# KiCad board EOutside.kicad_pcb (continued)
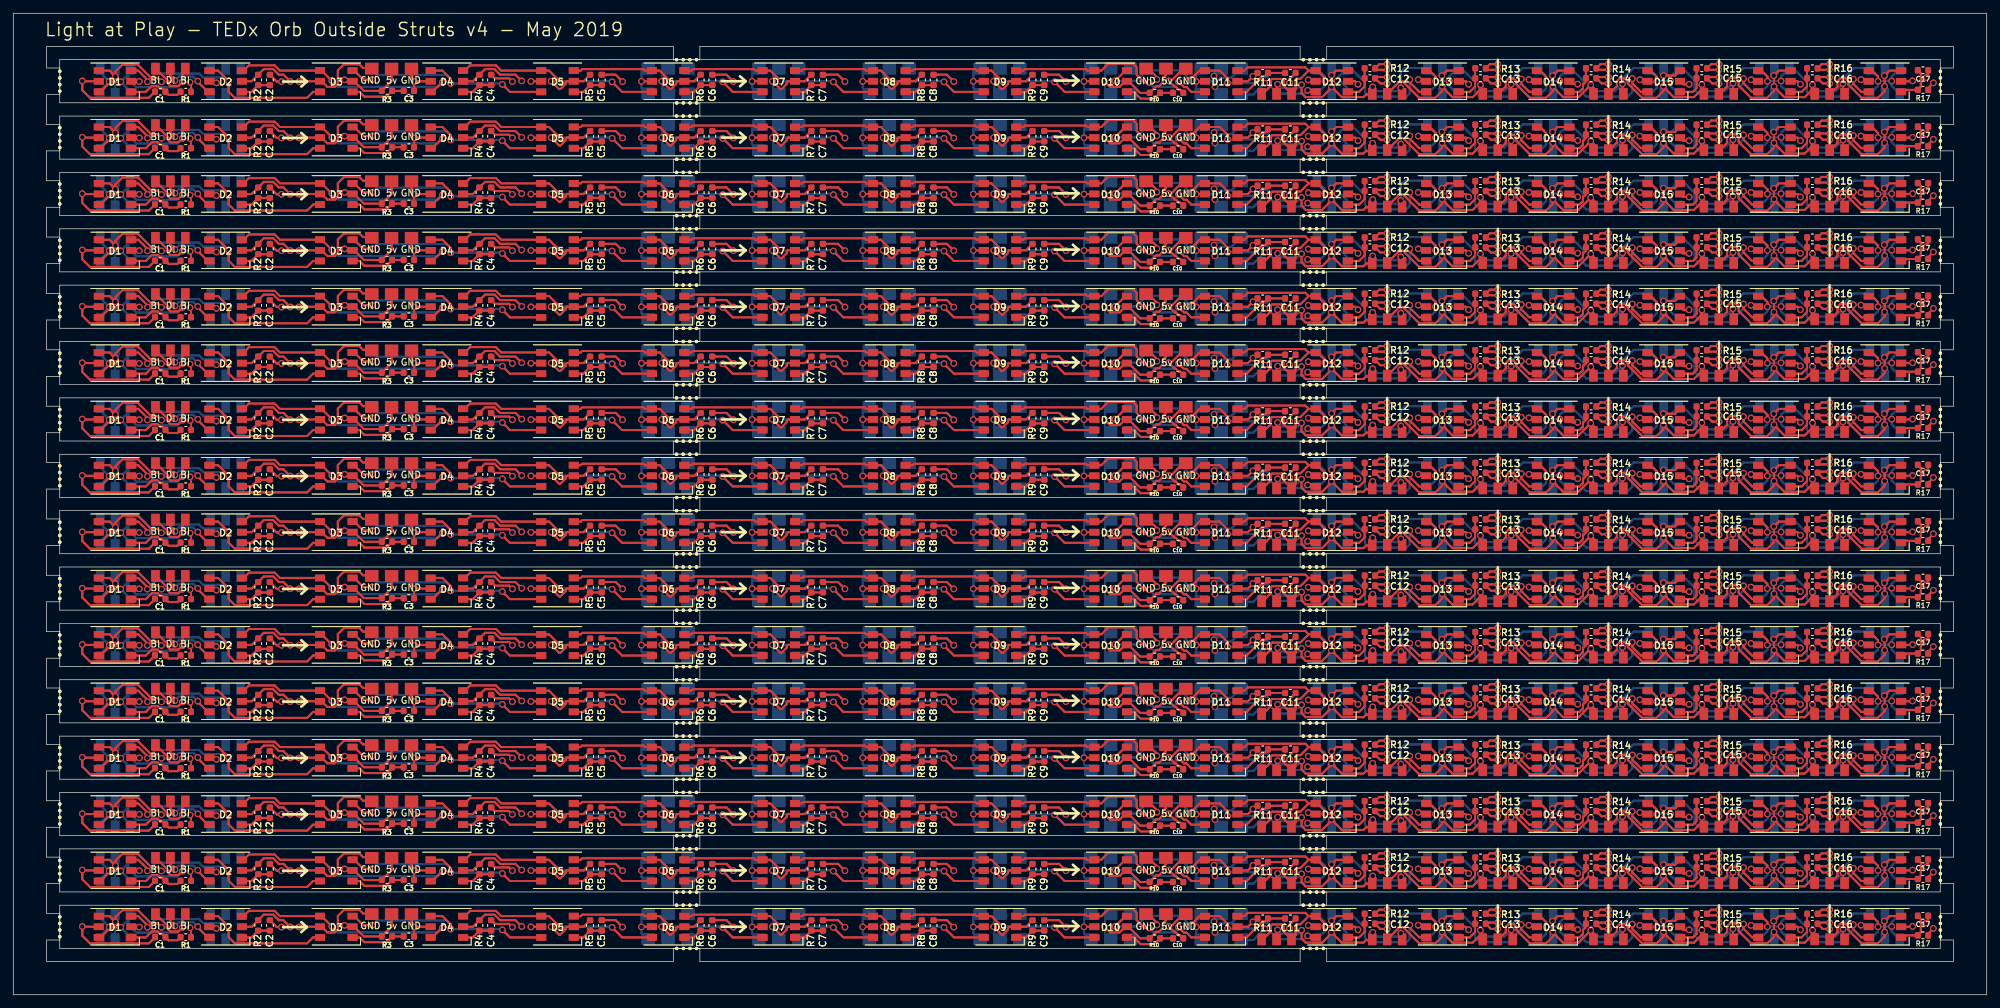
[diagram p0: board, top side]
## Routing (per net, layer and track width the routed paths; a pad name or vN(x,y) marks a point on that pad's centre or on a via; arc(x,y) is an arc through that point) (continued)
  Bottom w0.3: 161.32,136.76 162.33,135.75 161.32,136.76 ; 161.32,136.76 v1(161.32,137.73) ; 161.32,136.76 v1(161.32,137.73) ; 144.65,136.76 145.67,135.75 144.65,136.76 ; 144.65,136.76 v1(144.65,137.73) ; 144.65,136.76 v1(144.65,137.73) ; 127.99,136.76 129,135.75 127.99,136.76 ; 127.99,136.76 v1(127.99,137.73) ; 127.99,136.76 v1(127.99,137.73) ; 111.32,136.76 112.33,135.75 111.32,136.76 ; 111.32,136.76 v1(111.32,137.73) ; 111.32,136.76 v1(111.32,137.73) ; 94.65,136.76 95.67,135.75 94.65,136.76 ; 94.65,136.76 v1(94.65,137.73) ; 94.65,136.76 v1(94.65,137.73) ; v1(161.32,137.73) 161.32,139.24 ; v1(161.32,137.73) 161.32,139.24 ; 161.32,139.24 162.33,140.25 161.32,139.24 ; v1(144.65,137.73) 144.65,139.24 ; v1(144.65,137.73) 144.65,139.24 ; 144.65,139.24 145.67,140.25 144.65,139.24 ; v1(127.99,137.73) 127.99,139.24 ; v1(127.99,137.73) 127.99,139.24 ; 127.99,139.24 129,140.25 127.99,139.24 ; v1(111.32,137.73) 111.32,139.24 ; v1(111.32,137.73) 111.32,139.24 ; 111.32,139.24 112.33,140.25 111.32,139.24 ; v1(94.65,137.73) 94.65,139.24 ; v1(94.65,137.73) 94.65,139.24 ; 94.65,139.24 95.67,140.25 94.65,139.24 ; 183.52,129.78 181.86,129.78 ; 183.52,129.78 185,131.25 183.52,129.78 ; 183.52,129.78 181.86,129.78 ; 181.86,129.78 181.31,129.23 ; 181.86,129.78 181.31,129.23 ; 181.31,129.23 178.94,129.23 ; 181.31,129.23 178.94,129.23 ; 178.94,129.23 178.93,129.22 ; 178.94,129.23 178.93,129.22 ; 178.22,128.03 179,127.25 178.22,128.03 ; 178.22,128.03 178.22,128.51 ; 178.22,128.03 178.22,128.51 ; 178.93,129.22 v1(178.22,129.22) ; 178.93,129.22 v1(178.22,129.22) ; 178.22,129.93 v1(178.22,129.22) ; 178.22,129.93 178.22,130.97 ; 178.22,129.93 178.22,130.97 ; 178.22,129.93 v1(178.22,129.22) ; v1(178.22,129.22) 178.22,128.51 ; v1(178.22,129.22) 178.22,128.51 ; 178.22,130.97 179,131.75 178.22,130.97 ; 186.83,127.25 v1(188.54,128.96) 186.83,127.25 ; 186.83,127.25 185,127.25 186.83,127.25 ; v1(144.65,129.23) 144.65,128.26 ; v1(144.65,129.23) 144.65,130.74 ; v1(144.65,129.23) 144.65,128.26 ; v1(144.65,129.23) 144.65,130.74 ; 144.65,128.26 145.67,127.25 144.65,128.26 ; v1(127.99,129.23) 127.99,128.26 ; v1(127.99,129.23) 127.99,130.74 ; v1(127.99,129.23) 127.99,128.26 ; v1(127.99,129.23) 127.99,130.74 ; 127.99,128.26 129,127.25 127.99,128.26 ; 111.32,130.74 112.33,131.75 111.32,130.74 ; 111.32,130.74 v1(111.32,129.23) ; 111.32,130.74 v1(111.32,129.23) ; v1(111.32,129.23) 111.32,128.26 ; v1(111.32,129.23) 111.32,128.26 ; 111.32,128.26 112.33,127.25 111.32,128.26 ; 144.65,130.74 145.67,131.75 144.65,130.74 ; 127.99,130.74 129,131.75 127.99,130.74 ; 161.32,130.74 162.33,131.75 161.32,130.74 ; 161.32,130.74 v1(161.32,129.23) ; 161.32,130.74 v1(161.32,129.23) ; v1(161.32,129.23) 161.32,128.26 ; v1(161.32,129.23) 161.32,128.26 ; 161.32,128.26 162.33,127.25 161.32,128.26 ; 94.65,128.26 95.67,127.25 94.65,128.26 ; 94.65,128.26 v1(94.65,129.23) ; 94.65,128.26 v1(94.65,129.23) ; v1(94.65,129.23) 94.65,130.74 ; v1(94.65,129.23) 94.65,130.74 ; 94.65,130.74 95.67,131.75 94.65,130.74 ; 183.52,121.28 181.86,121.28 ; 183.52,121.28 185,122.75 183.52,121.28 ; 183.52,121.28 181.86,121.28 ; 181.86,121.28 181.31,120.73 ; 181.86,121.28 181.31,120.73 ; 181.31,120.73 178.94,120.73 ; 181.31,120.73 178.94,120.73 ; 178.94,120.73 178.93,120.72 ; 178.94,120.73 178.93,120.72 ; 178.22,119.53 179,118.75 178.22,119.53 ; 178.22,119.53 178.22,120.01 ; 178.22,119.53 178.22,120.01 ; 178.93,120.72 v1(178.22,120.72) ; 178.93,120.72 v1(178.22,120.72) ; 178.22,121.43 v1(178.22,120.72) ; 178.22,121.43 178.22,122.47 ; 178.22,121.43 178.22,122.47 ; 178.22,121.43 v1(178.22,120.72) ; v1(178.22,120.72) 178.22,120.01 ; v1(178.22,120.72) 178.22,120.01 ; 178.22,122.47 179,123.25 178.22,122.47 ; 186.83,118.75 v1(188.54,120.46) 186.83,118.75 ; 186.83,118.75 185,118.75 186.83,118.75 ; v1(144.65,120.73) 144.65,119.76 ; v1(144.65,120.73) 144.65,122.24 ; v1(144.65,120.73) 144.65,119.76 ; v1(144.65,120.73) 144.65,122.24 ; 144.65,119.76 145.67,118.75 144.65,119.76 ; v1(127.99,120.73) 127.99,119.76 ; v1(127.99,120.73) 127.99,122.24 ; v1(127.99,120.73) 127.99,119.76 ; v1(127.99,120.73) 127.99,122.24 ; 127.99,119.76 129,118.75 127.99,119.76 ; 111.32,122.24 112.33,123.25 111.32,122.24 ; 111.32,122.24 v1(111.32,120.73) ; 111.32,122.24 v1(111.32,120.73) ; v1(111.32,120.73) 111.32,119.76 ; v1(111.32,120.73) 111.32,119.76 ; 111.32,119.76 112.33,118.75 111.32,119.76 ; 144.65,122.24 145.67,123.25 144.65,122.24 ; 127.99,122.24 129,123.25 127.99,122.24 ; 161.32,122.24 162.33,123.25 161.32,122.24 ; 161.32,122.24 v1(161.32,120.73) ; 161.32,122.24 v1(161.32,120.73) ; v1(161.32,120.73) 161.32,119.76 ; v1(161.32,120.73) 161.32,119.76 ; 161.32,119.76 162.33,118.75 161.32,119.76 ; 94.65,119.76 95.67,118.75 94.65,119.76 ; 94.65,119.76 v1(94.65,120.73) ; 94.65,119.76 v1(94.65,120.73) ; v1(94.65,120.73) 94.65,122.24 ; v1(94.65,120.73) 94.65,122.24 ; 94.65,122.24 95.67,123.25 94.65,122.24 ; 186.83,110.25 v1(188.54,111.96) 186.83,110.25 ; 186.83,110.25 185,110.25 186.83,110.25 ; v1(144.65,112.23) 144.65,111.26 ; v1(144.65,112.23) 144.65,113.74 ; v1(144.65,112.23) 144.65,111.26 ; v1(144.65,112.23) 144.65,113.74 ; 144.65,111.26 145.67,110.25 144.65,111.26 ; v1(127.99,112.23) 127.99,111.26 ; v1(127.99,112.23) 127.99,113.74 ; v1(127.99,112.23) 127.99,111.26 ; v1(127.99,112.23) 127.99,113.74 ; 127.99,111.26 129,110.25 127.99,111.26 ; 111.32,113.74 112.33,114.75 111.32,113.74 ; 111.32,113.74 v1(111.32,112.23) ; 111.32,113.74 v1(111.32,112.23) ; v1(111.32,112.23) 111.32,111.26 ; v1(111.32,112.23) 111.32,111.26 ; 111.32,111.26 112.33,110.25 111.32,111.26 ; 144.65,113.74 145.67,114.75 144.65,113.74 ; 127.99,113.74 129,114.75 127.99,113.74 ; 161.32,113.74 162.33,114.75 161.32,113.74 ; 161.32,113.74 v1(161.32,112.23) ; 161.32,113.74 v1(161.32,112.23) ; v1(161.32,112.23) 161.32,111.26 ; v1(161.32,112.23) 161.32,111.26 ; 161.32,111.26 162.33,110.25 161.32,111.26 ; 94.65,111.26 95.67,110.25 94.65,111.26 ; 94.65,111.26 v1(94.65,112.23) ; 94.65,111.26 v1(94.65,112.23) ; v1(94.65,112.23) 94.65,113.74 ; v1(94.65,112.23) 94.65,113.74 ; 94.65,113.74 95.67,114.75 94.65,113.74 ; 178.22,111.51 v1(178.22,112.22) ; 178.22,111.51 178.22,111.03 ; 178.22,111.51 v1(178.22,112.22) ; 178.22,111.51 178.22,111.03 ; v1(178.22,112.22) 178.93,112.22 ; v1(178.22,112.22) 178.22,112.93 ; v1(178.22,112.22) 178.93,112.22 ; v1(178.22,112.22) 178.22,112.93 ; 178.22,113.97 179,114.75 178.22,113.97 ; 178.22,113.97 178.22,112.93 ; 178.22,113.97 178.22,112.93 ; 178.22,111.03 179,110.25 178.22,111.03 ; 178.93,112.22 178.94,112.23 ; 178.93,112.22 178.94,112.23 ; 181.86,112.78 181.31,112.23 ; 181.86,112.78 183.52,112.78 ; 181.86,112.78 181.31,112.23 ; 181.86,112.78 183.52,112.78 ; 181.31,112.23 178.94,112.23 ; 181.31,112.23 178.94,112.23 ; 183.52,112.78 185,114.25 183.52,112.78 ; 183.52,138.28 181.86,138.28 ; 183.52,138.28 185,139.75 183.52,138.28 ; 183.52,138.28 181.86,138.28 ; 181.86,138.28 181.31,137.73 ; 181.86,138.28 181.31,137.73 ; 181.31,137.73 178.94,137.73 ; 181.31,137.73 178.94,137.73 ; 178.94,137.73 178.93,137.72 ; 178.94,137.73 178.93,137.72 ; 178.22,136.53 179,135.75 178.22,136.53 ; 178.22,136.53 178.22,137.01 ; 178.22,136.53 178.22,137.01 ; 178.93,137.72 v1(178.22,137.72) ; 178.93,137.72 v1(178.22,137.72) ; 178.22,138.43 v1(178.22,137.72) ; 178.22,138.43 178.22,139.47 ; 178.22,138.43 178.22,139.47 ; 178.22,138.43 v1(178.22,137.72) ; v1(178.22,137.72) 178.22,137.01 ; v1(178.22,137.72) 178.22,137.01 ; 178.22,139.47 179,140.25 178.22,139.47 ; 186.83,135.75 v1(188.54,137.46) 186.83,135.75 ; 186.83,135.75 185,135.75 186.83,135.75 ; 183.52,104.28 181.86,104.28 ; 183.52,104.28 185,105.75 183.52,104.28 ; 183.52,104.28 181.86,104.28 ; 181.86,104.28 181.31,103.73 ; 181.86,104.28 181.31,103.73 ; 181.31,103.73 178.94,103.73 ; 181.31,103.73 178.94,103.73 ; 178.94,103.73 178.93,103.72 ; 178.94,103.73 178.93,103.72 ; 178.22,102.53 179,101.75 178.22,102.53 ; 178.22,102.53 178.22,103.01 ; 178.22,102.53 178.22,103.01 ; 178.93,103.72 v1(178.22,103.72) ; 178.93,103.72 v1(178.22,103.72) ; 178.22,104.43 v1(178.22,103.72) ; 178.22,104.43 178.22,105.47 ; 178.22,104.43 178.22,105.47 ; 178.22,104.43 v1(178.22,103.72) ; v1(178.22,103.72) 178.22,103.01 ; v1(178.22,103.72) 178.22,103.01 ; 178.22,105.47 179,106.25 178.22,105.47 ; 186.83,101.75 v1(188.54,103.46) 186.83,101.75 ; 186.83,101.75 185,101.75 186.83,101.75 ; v1(144.65,103.73) 144.65,102.76 ; v1(144.65,103.73) 144.65,105.24 ; v1(144.65,103.73) 144.65,102.76 ; v1(144.65,103.73) 144.65,105.24 ; 144.65,102.76 145.67,101.75 144.65,102.76 ; v1(127.99,103.73) 127.99,102.76 ; v1(127.99,103.73) 127.99,105.24 ; v1(127.99,103.73) 127.99,102.76 ; v1(127.99,103.73) 127.99,105.24 ; 127.99,102.76 129,101.75 127.99,102.76 ; 111.32,105.24 112.33,106.25 111.32,105.24 ; 111.32,105.24 v1(111.32,103.73) ; 111.32,105.24 v1(111.32,103.73) ; v1(111.32,103.73) 111.32,102.76 ; v1(111.32,103.73) 111.32,102.76 ; 111.32,102.76 112.33,101.75 111.32,102.76 ; 144.65,105.24 145.67,106.25 144.65,105.24 ; 127.99,105.24 129,106.25 127.99,105.24 ; 161.32,105.24 162.33,106.25 161.32,105.24 ; 161.32,105.24 v1(161.32,103.73) ; 161.32,105.24 v1(161.32,103.73) ; v1(161.32,103.73) 161.32,102.76 ; v1(161.32,103.73) 161.32,102.76 ; 161.32,102.76 162.33,101.75 161.32,102.76 ; 94.65,102.76 95.67,101.75 94.65,102.76 ; 94.65,102.76 v1(94.65,103.73) ; 94.65,102.76 v1(94.65,103.73) ; v1(94.65,103.73) 94.65,105.24 ; v1(94.65,103.73) 94.65,105.24 ; 94.65,105.24 95.67,106.25 94.65,105.24 ; 186.83,93.25 v1(188.54,94.96) 186.83,93.25 ; 186.83,93.25 185,93.25 186.83,93.25 ; v1(144.65,95.23) 144.65,94.26 ; v1(144.65,95.23) 144.65,96.74 ; v1(144.65,95.23) 144.65,94.26 ; v1(144.65,95.23) 144.65,96.74 ; 144.65,94.26 145.67,93.25 144.65,94.26 ; v1(127.99,95.23) 127.99,94.26 ; v1(127.99,95.23) 127.99,96.74 ; v1(127.99,95.23) 127.99,94.26 ; v1(127.99,95.23) 127.99,96.74 ; 127.99,94.26 129,93.25 127.99,94.26 ; 111.32,96.74 112.33,97.75 111.32,96.74 ; 111.32,96.74 v1(111.32,95.23) ; 111.32,96.74 v1(111.32,95.23) ; v1(111.32,95.23) 111.32,94.26 ; v1(111.32,95.23) 111.32,94.26 ; 111.32,94.26 112.33,93.25 111.32,94.26 ; 144.65,96.74 145.67,97.75 144.65,96.74 ; 127.99,96.74 129,97.75 127.99,96.74 ; 161.32,96.74 162.33,97.75 161.32,96.74 ; 161.32,96.74 v1(161.32,95.23) ; 161.32,96.74 v1(161.32,95.23) ; v1(161.32,95.23) 161.32,94.26 ; v1(161.32,95.23) 161.32,94.26 ; 161.32,94.26 162.33,93.25 161.32,94.26 ; 94.65,94.26 95.67,93.25 94.65,94.26 ; 94.65,94.26 v1(94.65,95.23) ; 94.65,94.26 v1(94.65,95.23) ; v1(94.65,95.23) 94.65,96.74 ; v1(94.65,95.23) 94.65,96.74 ; 94.65,96.74 95.67,97.75 94.65,96.74 ; 178.22,94.51 v1(178.22,95.22) ; 178.22,94.51 178.22,94.03 ; 178.22,94.51 v1(178.22,95.22) ; 178.22,94.51 178.22,94.03 ; v1(178.22,95.22) 178.93,95.22 ; v1(178.22,95.22) 178.22,95.93 ; v1(178.22,95.22) 178.93,95.22 ; v1(178.22,95.22) 178.22,95.93 ; 178.22,96.97 179,97.75 178.22,96.97 ; 178.22,96.97 178.22,95.93 ; 178.22,96.97 178.22,95.93 ; 178.22,94.03 179,93.25 178.22,94.03 ; 178.93,95.22 178.94,95.23 ; 178.93,95.22 178.94,95.23 ; 181.86,95.78 181.31,95.23 ; 181.86,95.78 183.52,95.78 ; 181.86,95.78 181.31,95.23 ; 181.86,95.78 183.52,95.78 ; 181.31,95.23 178.94,95.23 ; 181.31,95.23 178.94,95.23 ; 183.52,95.78 185,97.25 183.52,95.78 ; 178.22,77.51 v1(178.22,78.22) ; 178.22,77.51 178.22,77.03 ; 178.22,77.51 v1(178.22,78.22) ; 178.22,77.51 178.22,77.03 ; v1(178.22,78.22) 178.93,78.22 ; v1(178.22,78.22) 178.22,78.93 ; v1(178.22,78.22) 178.93,78.22 ; v1(178.22,78.22) 178.22,78.93 ; 178.22,79.97 179,80.75 178.22,79.97 ; 178.22,79.97 178.22,78.93 ; 178.22,79.97 178.22,78.93 ; 178.22,77.03 179,76.25 178.22,77.03 ; 178.93,78.22 178.94,78.23 ; 178.93,78.22 178.94,78.23 ; 181.86,78.78 181.31,78.23 ; 181.86,78.78 183.52,78.78 ; 181.86,78.78 181.31,78.23 ; 181.86,78.78 183.52,78.78 ; 181.31,78.23 178.94,78.23 ; 181.31,78.23 178.94,78.23 ; 183.52,78.78 185,80.25 183.52,78.78 ; 161.32,77.26 162.33,76.25 161.32,77.26 ; 161.32,77.26 v1(161.32,78.23) ; 161.32,77.26 v1(161.32,78.23) ; 94.65,77.26 95.67,76.25 94.65,77.26 ; 94.65,77.26 v1(94.65,78.23) ; 94.65,77.26 v1(94.65,78.23) ; v1(94.65,78.23) 94.65,79.74 ; v1(94.65,78.23) 94.65,79.74 ; 94.65,79.74 95.67,80.75 94.65,79.74 ; 186.83,76.25 v1(188.54,77.96) 186.83,76.25 ; 186.83,76.25 185,76.25 186.83,76.25 ; v1(144.65,78.23) 144.65,77.26 ; v1(144.65,78.23) 144.65,79.74 ; v1(144.65,78.23) 144.65,77.26 ; v1(144.65,78.23) 144.65,79.74 ; 144.65,77.26 145.67,76.25 144.65,77.26 ; v1(127.99,78.23) 127.99,77.26 ; v1(127.99,78.23) 127.99,79.74 ; v1(127.99,78.23) 127.99,77.26 ; v1(127.99,78.23) 127.99,79.74 ; 127.99,77.26 129,76.25 127.99,77.26 ; 111.32,79.74 112.33,80.75 111.32,79.74 ; 111.32,79.74 v1(111.32,78.23) ; 111.32,79.74 v1(111.32,78.23) ; v1(111.32,78.23) 111.32,77.26 ; v1(111.32,78.23) 111.32,77.26 ; 111.32,77.26 112.33,76.25 111.32,77.26 ; 144.65,79.74 145.67,80.75 144.65,79.74 ; 127.99,79.74 129,80.75 127.99,79.74 ; 161.32,79.74 162.33,80.75 161.32,79.74 ; 161.32,79.74 v1(161.32,78.23) ; 161.32,79.74 v1(161.32,78.23) ; v1(94.65,86.73) 94.65,88.24 ; v1(94.65,86.73) 94.65,85.76 ; v1(94.65,86.73) 94.65,88.24 ; v1(94.65,86.73) 94.65,85.76 ; 94.65,88.24 95.67,89.25 94.65,88.24 ; 94.65,85.76 95.67,84.75 94.65,85.76 ; 161.32,85.76 162.33,84.75 161.32,85.76 ; 161.32,85.76 v1(161.32,86.73) ; 161.32,85.76 v1(161.32,86.73) ; 186.83,84.75 v1(188.54,86.46) 186.83,84.75 ; 186.83,84.75 185,84.75 186.83,84.75 ; v1(144.65,86.73) 144.65,85.76 ; v1(144.65,86.73) 144.65,88.24 ; v1(144.65,86.73) 144.65,85.76 ; v1(144.65,86.73) 144.65,88.24 ; 144.65,85.76 145.67,84.75 144.65,85.76 ; v1(127.99,86.73) 127.99,85.76 ; v1(127.99,86.73) 127.99,88.24 ; v1(127.99,86.73) 127.99,85.76 ; v1(127.99,86.73) 127.99,88.24 ; 127.99,85.76 129,84.75 127.99,85.76 ; 111.32,88.24 112.33,89.25 111.32,88.24 ; 111.32,88.24 v1(111.32,86.73) ; 111.32,88.24 v1(111.32,86.73) ; v1(111.32,86.73) 111.32,85.76 ; v1(111.32,86.73) 111.32,85.76 ; 111.32,85.76 112.33,84.75 111.32,85.76 ; 144.65,88.24 145.67,89.25 144.65,88.24 ; 127.99,88.24 129,89.25 127.99,88.24 ; 161.32,88.24 162.33,89.25 161.32,88.24 ; 161.32,88.24 v1(161.32,86.73) ; 161.32,88.24 v1(161.32,86.73) ; 181.31,86.73 178.94,86.73 ; 181.31,86.73 181.86,87.28 ; 181.31,86.73 178.94,86.73 ; 181.31,86.73 181.86,87.28 ; 178.94,86.73 178.93,86.72 ; 178.94,86.73 178.93,86.72 ; 178.22,85.53 179,84.75 178.22,85.53 ; 178.22,85.53 178.22,86.01 ; 178.22,85.53 178.22,86.01 ; 181.86,87.28 183.52,87.28 ; 181.86,87.28 183.52,87.28 ; 178.93,86.72 v1(178.22,86.72) ; 178.93,86.72 v1(178.22,86.72) ; v1(178.22,86.72) 178.22,86.01 ; v1(178.22,86.72) 178.22,87.43 ; v1(178.22,86.72) 178.22,86.01 ; v1(178.22,86.72) 178.22,87.43 ; 183.52,87.28 185,88.75 183.52,87.28 ; 178.22,88.47 179,89.25 178.22,88.47 ; 178.22,88.47 178.22,87.43 ; 178.22,88.47 178.22,87.43 ; 181.31,69.73 178.94,69.73 ; 181.31,69.73 181.86,70.28 ; 181.31,69.73 181.86,70.28 ; 181.31,69.73 178.94,69.73 ; 178.94,69.73 178.93,69.72 ; 178.94,69.73 178.93,69.72 ; 178.22,69.01 v1(178.22,69.72) ; 178.22,69.01 178.22,68.53 ; 178.22,69.01 v1(178.22,69.72) ; 178.22,69.01 178.22,68.53 ; v1(178.22,69.72) 178.22,70.43 ; v1(178.22,69.72) 178.93,69.72 ; v1(178.22,69.72) 178.93,69.72 ; v1(178.22,69.72) 178.22,70.43 ; 183.52,70.28 181.86,70.28 ; 183.52,70.28 185,71.75 183.52,70.28 ; 183.52,70.28 181.86,70.28 ; 178.22,68.53 179,67.75 178.22,68.53 ; 178.22,70.43 178.22,71.47 ; 178.22,70.43 178.22,71.47 ; 178.22,71.47 179,72.25 178.22,71.47 ; v1(111.32,69.73) 111.32,71.24 ; v1(111.32,69.73) 111.32,68.76 ; v1(111.32,69.73) 111.32,68.76 ; v1(111.32,69.73) 111.32,71.24 ; 111.32,71.24 112.33,72.25 111.32,71.24 ; 111.32,68.76 112.33,67.75 111.32,68.76 ; v1(144.65,69.73) 144.65,71.24 ; v1(144.65,69.73) 144.65,68.76 ; v1(144.65,69.73) 144.65,71.24 ; v1(144.65,69.73) 144.65,68.76 ; 144.65,71.24 145.67,72.25 144.65,71.24 ; 127.99,71.24 129,72.25 127.99,71.24 ; 127.99,71.24 v1(127.99,69.73) ; 127.99,71.24 v1(127.99,69.73) ; 127.99,68.76 129,67.75 127.99,68.76 ; 127.99,68.76 v1(127.99,69.73) ; 127.99,68.76 v1(127.99,69.73) ; 161.32,71.24 162.33,72.25 161.32,71.24 ; 161.32,71.24 v1(161.32,69.73) ; 161.32,71.24 v1(161.32,69.73) ; v1(161.32,69.73) 161.32,68.76 ; v1(161.32,69.73) 161.32,68.76 ; 161.32,68.76 162.33,67.75 161.32,68.76 ; 94.65,68.76 95.67,67.75 94.65,68.76 ; 94.65,68.76 v1(94.65,69.73) ; 94.65,68.76 v1(94.65,69.73) ; v1(94.65,69.73) 94.65,71.24 ; v1(94.65,69.73) 94.65,71.24 ; 94.65,71.24 95.67,72.25 94.65,71.24 ; 144.65,68.76 145.67,67.75 144.65,68.76 ; 186.83,67.75 v1(188.54,69.46) 186.83,67.75 ; 186.83,67.75 185,67.75 186.83,67.75 ; 186.83,59.25 v1(188.54,60.96) 186.83,59.25 ; 186.83,59.25 185,59.25 186.83,59.25 ; v1(144.65,61.23) 144.65,60.26 ; v1(144.65,61.23) 144.65,62.74 ; v1(144.65,61.23) 144.65,60.26 ; v1(144.65,61.23) 144.65,62.74 ; 144.65,60.26 145.67,59.25 144.65,60.26 ; v1(127.99,61.23) 127.99,60.26 ; v1(127.99,61.23) 127.99,62.74 ; v1(127.99,61.23) 127.99,60.26 ; v1(127.99,61.23) 127.99,62.74 ; 127.99,60.26 129,59.25 127.99,60.26 ; 111.32,62.74 112.33,63.75 111.32,62.74 ; 111.32,62.74 v1(111.32,61.23) ; 111.32,62.74 v1(111.32,61.23) ; v1(111.32,61.23) 111.32,60.26 ; v1(111.32,61.23) 111.32,60.26 ; 111.32,60.26 112.33,59.25 111.32,60.26 ; 144.65,62.74 145.67,63.75 144.65,62.74 ; 127.99,62.74 129,63.75 127.99,62.74 ; 161.32,62.74 162.33,63.75 161.32,62.74 ; 161.32,62.74 v1(161.32,61.23) ; 161.32,62.74 v1(161.32,61.23) ; v1(161.32,61.23) 161.32,60.26 ; v1(161.32,61.23) 161.32,60.26 ; 161.32,60.26 162.33,59.25 161.32,60.26 ; 94.65,60.26 95.67,59.25 94.65,60.26 ; 94.65,60.26 v1(94.65,61.23) ; 94.65,60.26 v1(94.65,61.23) ; v1(94.65,61.23) 94.65,62.74 ; v1(94.65,61.23) 94.65,62.74 ; 94.65,62.74 95.67,63.75 94.65,62.74 ; 178.22,43.51 v1(178.22,44.22) ; 178.22,43.51 178.22,43.03 ; 178.22,43.51 v1(178.22,44.22) ; 178.22,43.51 178.22,43.03 ; v1(178.22,44.22) 178.93,44.22 ; v1(178.22,44.22) 178.22,44.93 ; v1(178.22,44.22) 178.93,44.22 ; v1(178.22,44.22) 178.22,44.93 ; 178.22,45.97 179,46.75 178.22,45.97 ; 178.22,45.97 178.22,44.93 ; 178.22,45.97 178.22,44.93 ; 178.22,43.03 179,42.25 178.22,43.03 ; 178.93,44.22 178.94,44.23 ; 178.93,44.22 178.94,44.23 ; 181.86,44.78 181.31,44.23 ; 181.86,44.78 183.52,44.78 ; 181.86,44.78 181.31,44.23 ; 181.86,44.78 183.52,44.78 ; 181.31,44.23 178.94,44.23 ; 181.31,44.23 178.94,44.23 ; 183.52,44.78 185,46.25 183.52,44.78 ; 178.22,60.51 v1(178.22,61.22) ; 178.22,60.51 178.22,60.03 ; 178.22,60.51 v1(178.22,61.22) ; 178.22,60.51 178.22,60.03 ; v1(178.22,61.22) 178.93,61.22 ; v1(178.22,61.22) 178.22,61.93 ; v1(178.22,61.22) 178.93,61.22 ; v1(178.22,61.22) 178.22,61.93 ; 178.22,62.97 179,63.75 178.22,62.97 ; 178.22,62.97 178.22,61.93 ; 178.22,62.97 178.22,61.93 ; 178.22,60.03 179,59.25 178.22,60.03 ; 178.93,61.22 178.94,61.23 ; 178.93,61.22 178.94,61.23 ; 181.86,61.78 181.31,61.23 ; 181.86,61.78 183.52,61.78 ; 181.86,61.78 181.31,61.23 ; 181.86,61.78 183.52,61.78 ; 181.31,61.23 178.94,61.23 ; 181.31,61.23 178.94,61.23 ; 183.52,61.78 185,63.25 183.52,61.78 ; v1(144.65,44.23) 144.65,43.26 ; v1(144.65,44.23) 144.65,45.74 ; v1(144.65,44.23) 144.65,43.26 ; v1(144.65,44.23) 144.65,45.74 ; 144.65,43.26 145.67,42.25 144.65,43.26 ; v1(127.99,44.23) 127.99,43.26 ; v1(127.99,44.23) 127.99,45.74 ; v1(127.99,44.23) 127.99,43.26 ; v1(127.99,44.23) 127.99,45.74 ; 127.99,43.26 129,42.25 127.99,43.26 ; 111.32,45.74 112.33,46.75 111.32,45.74 ; 111.32,45.74 v1(111.32,44.23) ; 111.32,45.74 v1(111.32,44.23) ; v1(111.32,44.23) 111.32,43.26 ; v1(111.32,44.23) 111.32,43.26 ; 111.32,43.26 112.33,42.25 111.32,43.26 ; 144.65,45.74 145.67,46.75 144.65,45.74 ; 127.99,45.74 129,46.75 127.99,45.74 ; 161.32,45.74 162.33,46.75 161.32,45.74 ; 161.32,45.74 v1(161.32,44.23) ; 161.32,45.74 v1(161.32,44.23) ; v1(161.32,44.23) 161.32,43.26 ; v1(161.32,44.23) 161.32,43.26 ; 161.32,43.26 162.33,42.25 161.32,43.26 ; 94.65,43.26 95.67,42.25 94.65,43.26 ; 94.65,43.26 v1(94.65,44.23) ; 94.65,43.26 v1(94.65,44.23) ; v1(94.65,44.23) 94.65,45.74 ; v1(94.65,44.23) 94.65,45.74 ; 94.65,45.74 95.67,46.75 94.65,45.74 ; 186.83,42.25 v1(188.54,43.96) 186.83,42.25 ; 186.83,42.25 185,42.25 186.83,42.25 ; v1(94.65,52.73) 94.65,54.24 ; v1(94.65,52.73) 94.65,51.76 ; v1(94.65,52.73) 94.65,54.24 ; v1(94.65,52.73) 94.65,51.76 ; 94.65,54.24 95.67,55.25 94.65,54.24 ; 94.65,51.76 95.67,50.75 94.65,51.76 ; 161.32,51.76 162.33,50.75 161.32,51.76 ; 161.32,51.76 v1(161.32,52.73) ; 161.32,51.76 v1(161.32,52.73) ; 186.83,50.75 v1(188.54,52.46) 186.83,50.75 ; 186.83,50.75 185,50.75 186.83,50.75 ; v1(144.65,52.73) 144.65,51.76 ; v1(144.65,52.73) 144.65,54.24 ; v1(144.65,52.73) 144.65,51.76 ; v1(144.65,52.73) 144.65,54.24 ; 144.65,51.76 145.67,50.75 144.65,51.76 ; v1(127.99,52.73) 127.99,51.76 ; v1(127.99,52.73) 127.99,54.24 ; v1(127.99,52.73) 127.99,51.76 ; v1(127.99,52.73) 127.99,54.24 ; 127.99,51.76 129,50.75 127.99,51.76 ; 111.32,54.24 112.33,55.25 111.32,54.24 ; 111.32,54.24 v1(111.32,52.73) ; 111.32,54.24 v1(111.32,52.73) ; v1(111.32,52.73) 111.32,51.76 ; v1(111.32,52.73) 111.32,51.76 ; 111.32,51.76 112.33,50.75 111.32,51.76 ; 144.65,54.24 145.67,55.25 144.65,54.24 ; 127.99,54.24 129,55.25 127.99,54.24 ; 161.32,54.24 162.33,55.25 161.32,54.24 ; 161.32,54.24 v1(161.32,52.73) ; 161.32,54.24 v1(161.32,52.73) ; 181.31,52.73 178.94,52.73 ; 181.31,52.73 181.86,53.28 ; 181.31,52.73 178.94,52.73 ; 181.31,52.73 181.86,53.28 ; 178.94,52.73 178.93,52.72 ; 178.94,52.73 178.93,52.72 ; 178.22,51.53 179,50.75 178.22,51.53 ; 178.22,51.53 178.22,52.01 ; 178.22,51.53 178.22,52.01 ; 181.86,53.28 183.52,53.28 ; 181.86,53.28 183.52,53.28 ; 178.93,52.72 v1(178.22,52.72) ; 178.93,52.72 v1(178.22,52.72) ; v1(178.22,52.72) 178.22,52.01 ; v1(178.22,52.72) 178.22,53.43 ; v1(178.22,52.72) 178.22,52.01 ; v1(178.22,52.72) 178.22,53.43 ; 183.52,53.28 185,54.75 183.52,53.28 ; 178.22,54.47 179,55.25 178.22,54.47 ; 178.22,54.47 178.22,53.43 ; 178.22,54.47 178.22,53.43 ; 94.65,17.76 95.67,16.75 94.65,17.76 ; 94.65,17.76 v1(94.65,18.73) ; 94.65,17.76 v1(94.65,18.73) ; 178.22,26.51 v1(178.22,27.22) ; 178.22,26.51 178.22,26.03 ; 178.22,26.51 v1(178.22,27.22) ; 178.22,26.51 178.22,26.03 ; v1(178.22,27.22) 178.93,27.22 ; v1(178.22,27.22) 178.22,27.93 ; v1(178.22,27.22) 178.93,27.22 ; v1(178.22,27.22) 178.22,27.93 ; 178.22,28.97 179,29.75 178.22,28.97 ; 178.22,28.97 178.22,27.93 ; 178.22,28.97 178.22,27.93 ; 178.22,26.03 179,25.25 178.22,26.03 ; 178.93,27.22 178.94,27.23 ; 178.93,27.22 178.94,27.23 ; 181.86,27.78 181.31,27.23 ; 181.86,27.78 183.52,27.78 ; 181.86,27.78 181.31,27.23 ; 181.86,27.78 183.52,27.78 ; 181.31,27.23 178.94,27.23 ; 181.31,27.23 178.94,27.23 ; 183.52,27.78 185,29.25 183.52,27.78 ; 178.22,9.51 v1(178.22,10.22) ; 178.22,9.51 178.22,9.03 ; 178.22,9.51 v1(178.22,10.22) ; 178.22,9.51 178.22,9.03 ; v1(178.22,10.22) 178.93,10.22 ; v1(178.22,10.22) 178.22,10.93 ; v1(178.22,10.22) 178.93,10.22 ; v1(178.22,10.22) 178.22,10.93 ; 178.22,11.97 179,12.75 178.22,11.97 ; 178.22,11.97 178.22,10.93 ; 178.22,11.97 178.22,10.93 ; 178.22,9.03 179,8.25 178.22,9.03 ; 178.93,10.22 178.94,10.23 ; 178.93,10.22 178.94,10.23 ; 181.86,10.78 181.31,10.23 ; 181.86,10.78 183.52,10.78 ; 181.86,10.78 181.31,10.23 ; 181.86,10.78 183.52,10.78 ; 181.31,10.23 178.94,10.23 ; 181.31,10.23 178.94,10.23 ; 183.52,10.78 185,12.25 183.52,10.78 ; 186.83,16.75 v1(188.54,18.46) 186.83,16.75 ; 186.83,16.75 185,16.75 186.83,16.75 ; v1(144.65,18.73) 144.65,17.76 ; v1(144.65,18.73) 144.65,20.24 ; v1(144.65,18.73) 144.65,17.76 ; v1(144.65,18.73) 144.65,20.24 ; 144.65,17.76 145.67,16.75 144.65,17.76 ; v1(127.99,18.73) 127.99,17.76 ; v1(127.99,18.73) 127.99,20.24 ; v1(127.99,18.73) 127.99,17.76 ; v1(127.99,18.73) 127.99,20.24 ; 127.99,17.76 129,16.75 127.99,17.76 ; 111.32,20.24 112.33,21.25 111.32,20.24 ; 111.32,20.24 v1(111.32,18.73) ; 111.32,20.24 v1(111.32,18.73) ; v1(111.32,18.73) 111.32,17.76 ; v1(111.32,18.73) 111.32,17.76 ; 111.32,17.76 112.33,16.75 111.32,17.76 ; 144.65,20.24 145.67,21.25 144.65,20.24 ; 127.99,20.24 129,21.25 127.99,20.24 ; 161.32,20.24 162.33,21.25 161.32,20.24 ; 161.32,20.24 v1(161.32,18.73) ; 161.32,20.24 v1(161.32,18.73) ; v1(161.32,18.73) 161.32,17.76 ; v1(161.32,18.73) 161.32,17.76 ; 161.32,17.76 162.33,16.75 161.32,17.76 ; v1(94.65,18.73) 94.65,20.24 ; v1(94.65,18.73) 94.65,20.24 ; 94.65,20.24 95.67,21.25 94.65,20.24 ; 161.32,34.76 162.33,33.75 161.32,34.76 ; 161.32,34.76 v1(161.32,35.73) ; 161.32,34.76 v1(161.32,35.73) ; v1(127.99,35.73) 127.99,37.24 ; v1(127.99,35.73) 127.99,34.76 ; v1(127.99,35.73) 127.99,37.24 ; v1(127.99,35.73) 127.99,34.76 ; 127.99,37.24 129,38.25 127.99,37.24 ; 127.99,34.76 129,33.75 127.99,34.76 ; v1(111.32,35.73) 111.32,34.76 ; v1(111.32,35.73) 111.32,37.24 ; v1(111.32,35.73) 111.32,37.24 ; v1(111.32,35.73) 111.32,34.76 ; 111.32,34.76 112.33,33.75 111.32,34.76 ; v1(144.65,35.73) 144.65,37.24 ; v1(144.65,35.73) 144.65,34.76 ; v1(144.65,35.73) 144.65,37.24 ; v1(144.65,35.73) 144.65,34.76 ; 144.65,37.24 145.67,38.25 144.65,37.24 ; 111.32,37.24 112.33,38.25 111.32,37.24 ; 144.65,34.76 145.67,33.75 144.65,34.76 ; 186.83,33.75 185,33.75 186.83,33.75 ; 186.83,33.75 v1(188.54,35.46) 186.83,33.75 ; 161.32,37.24 162.33,38.25 161.32,37.24 ; 161.32,37.24 v1(161.32,35.73) ; 161.32,37.24 v1(161.32,35.73) ; 94.65,34.76 95.67,33.75 94.65,34.76 ; 94.65,34.76 v1(94.65,35.73) ; 94.65,34.76 v1(94.65,35.73) ; v1(94.65,35.73) 94.65,37.24 ; v1(94.65,35.73) 94.65,37.24 ; 94.65,37.24 95.67,38.25 94.65,37.24 ; 178.22,35.01 v1(178.22,35.72) ; 178.22,35.01 178.22,34.53 ; 178.22,35.01 v1(178.22,35.72) ; 178.22,35.01 178.22,34.53 ; v1(178.22,35.72) 178.93,35.72 ; v1(178.22,35.72) 178.22,36.43 ; v1(178.22,35.72) 178.22,36.43 ; v1(178.22,35.72) 178.93,35.72 ; 178.22,37.47 179,38.25 178.22,37.47 ; 178.22,37.47 178.22,36.43 ; 178.22,37.47 178.22,36.43 ; 178.22,34.53 179,33.75 178.22,34.53 ; 178.93,35.72 178.94,35.73 ; 178.93,35.72 178.94,35.73 ; 181.86,36.28 181.31,35.73 ; 181.86,36.28 183.52,36.28 ; 181.86,36.28 183.52,36.28 ; 181.86,36.28 181.31,35.73 ; 181.31,35.73 178.94,35.73 ; 181.31,35.73 178.94,35.73 ; 183.52,36.28 185,37.75 183.52,36.28 ; 186.83,8.25 185,8.25 186.83,8.25 ; 186.83,8.25 v1(188.54,9.96) 186.83,8.25 ; v1(94.65,10.23) 94.65,9.26 ; v1(94.65,10.23) 94.65,11.74 ; v1(94.65,10.23) 94.65,11.74 ; v1(94.65,10.23) 94.65,9.26 ; 94.65,9.26 95.67,8.25 94.65,9.26 ; 94.65,11.74 95.67,12.75 94.65,11.74 ; 181.31,18.73 178.94,18.73 ; 181.31,18.73 181.86,19.28 ; 181.31,18.73 178.94,18.73 ; 181.31,18.73 181.86,19.28 ; 178.94,18.73 178.93,18.72 ; 178.94,18.73 178.93,18.72 ; 178.22,17.53 179,16.75 178.22,17.53 ; 178.22,17.53 178.22,18.01 ; 178.22,17.53 178.22,18.01 ; 181.86,19.28 183.52,19.28 ; 181.86,19.28 183.52,19.28 ; 178.93,18.72 v1(178.22,18.72) ; 178.93,18.72 v1(178.22,18.72) ; v1(178.22,18.72) 178.22,18.01 ; v1(178.22,18.72) 178.22,19.43 ; v1(178.22,18.72) 178.22,18.01 ; v1(178.22,18.72) 178.22,19.43 ; 183.52,19.28 185,20.75 183.52,19.28 ; 178.22,20.47 179,21.25 178.22,20.47 ; 178.22,20.47 178.22,19.43 ; 178.22,20.47 178.22,19.43 ; 161.32,9.26 162.33,8.25 161.32,9.26 ; 161.32,9.26 v1(161.32,10.23) ; 161.32,9.26 v1(161.32,10.23) ; v1(144.65,10.23) 144.65,9.26 ; v1(144.65,10.23) 144.65,11.74 ; v1(144.65,10.23) 144.65,9.26 ; v1(144.65,10.23) 144.65,11.74 ; 144.65,9.26 145.67,8.25 144.65,9.26 ; v1(127.99,10.23) 127.99,9.26 ; v1(127.99,10.23) 127.99,11.74 ; v1(127.99,10.23) 127.99,11.74 ; v1(127.99,10.23) 127.99,9.26 ; 127.99,9.26 129,8.25 127.99,9.26 ; 111.32,11.74 112.33,12.75 111.32,11.74 ; 111.32,11.74 v1(111.32,10.23) ; 111.32,11.74 v1(111.32,10.23) ; v1(111.32,10.23) 111.32,9.26 ; v1(111.32,10.23) 111.32,9.26 ; 111.32,9.26 112.33,8.25 111.32,9.26 ; 144.65,11.74 145.67,12.75 144.65,11.74 ; 127.99,11.74 129,12.75 127.99,11.74 ; 161.32,11.74 162.33,12.75 161.32,11.74 ; 161.32,11.74 v1(161.32,10.23) ; 161.32,11.74 v1(161.32,10.23) ; 186.83,25.25 185,25.25 186.83,25.25 ; 186.83,25.25 v1(188.54,26.96) 186.83,25.25 ; v1(144.65,27.23) 144.65,26.26 ; v1(144.65,27.23) 144.65,28.74 ; v1(144.65,27.23) 144.65,26.26 ; v1(144.65,27.23) 144.65,28.74 ; 144.65,26.26 145.67,25.25 144.65,26.26 ; v1(127.99,27.23) 127.99,26.26 ; v1(127.99,27.23) 127.99,28.74 ; v1(127.99,27.23) 127.99,26.26 ; v1(127.99,27.23) 127.99,28.74 ; 127.99,26.26 129,25.25 127.99,26.26 ; 111.32,28.74 112.33,29.75 111.32,28.74 ; 111.32,28.74 v1(111.32,27.23) ; 111.32,28.74 v1(111.32,27.23) ; v1(111.32,27.23) 111.32,26.26 ; v1(111.32,27.23) 111.32,26.26 ; 111.32,26.26 112.33,25.25 111.32,26.26 ; 144.65,28.74 145.67,29.75 144.65,28.74 ; 127.99,28.74 129,29.75 127.99,28.74 ; 161.32,28.74 162.33,29.75 161.32,28.74 ; 161.32,28.74 v1(161.32,27.23) ; 161.32,28.74 v1(161.32,27.23) ; v1(161.32,27.23) 161.32,26.26 ; v1(161.32,27.23) 161.32,26.26 ; 161.32,26.26 162.33,25.25 161.32,26.26 ; 94.65,26.26 95.67,25.25 94.65,26.26 ; 94.65,26.26 v1(94.65,27.23) ; 94.65,26.26 v1(94.65,27.23) ; v1(94.65,27.23) 94.65,28.74 ; v1(94.65,27.23) 94.65,28.74 ; 94.65,28.74 95.67,29.75 94.65,28.74
  vias: v1(207,138.35) v1(207,138.35) v1(207,137.4) v1(207,137.4) v1(207,129.85) v1(207,129.85) v1(207,128.9) v1(207,128.9) v1(207,121.35) v1(207,121.35) v1(207,120.4) v1(207,120.4) v1(207,112.85) v1(207,112.85) v1(207,111.9) v1(207,111.9) v1(207,104.35) v1(207,104.35) v1(207,103.4) v1(207,103.4) v1(207,95.85) v1(207,95.85) v1(207,94.9) v1(207,94.9) v1(207,87.35) v1(207,87.35) v1(207,86.4) v1(207,86.4) v1(207,78.85) v1(207,78.85) v1(207,77.9) v1(207,77.9) v1(207,70.35) v1(207,70.35) v1(207,69.4) v1(207,69.4) v1(207,61.85) v1(207,61.85) v1(207,60.9) v1(207,60.9) v1(207,53.35) v1(207,53.35) v1(207,52.4) v1(207,52.4) v1(207,44.85) v1(207,44.85) v1(207,43.9) v1(207,43.9) v1(207,36.35) v1(207,36.35) v1(207,35.4) v1(207,35.4) v1(207,27.85) v1(207,27.85) v1(207,26.9) v1(207,26.9) v1(207,19.35) v1(207,19.35) v1(207,18.4) v1(207,18.4) v1(207,10.85) v1(207,10.85) v1(207,9.9) v1(207,9.9) v1(223.67,138.35) v1(223.67,138.35) v1(223.67,137.4) v1(223.67,137.4) v1(223.67,129.85) v1(223.67,129.85) v1(223.67,128.9) v1(223.67,128.9) v1(223.67,121.35) v1(223.67,121.35) v1(223.67,120.4) v1(223.67,120.4) v1(223.67,112.85) v1(223.67,112.85) v1(223.67,111.9) v1(223.67,111.9) v1(223.67,104.35) v1(223.67,104.35) v1(223.67,103.4) v1(223.67,103.4) v1(223.67,95.85) v1(223.67,95.85) v1(223.67,94.9) v1(223.67,94.9) v1(223.67,87.35) v1(223.67,87.35) v1(223.67,86.4) v1(223.67,86.4) v1(223.67,78.85) v1(223.67,78.85) v1(223.67,77.9) v1(223.67,77.9) v1(223.67,70.35) v1(223.67,70.35) v1(223.67,69.4) v1(223.67,69.4) v1(223.67,61.85) v1(223.67,61.85) v1(223.67,60.9) v1(223.67,60.9) v1(223.67,53.35) v1(223.67,53.35) v1(223.67,52.4) v1(223.67,52.4) v1(223.67,44.85) v1(223.67,44.85) v1(223.67,43.9) v1(223.67,43.9) v1(223.67,36.35) v1(223.67,36.35) v1(223.67,35.4) v1(223.67,35.4) v1(223.67,27.85) v1(223.67,27.85) v1(223.67,26.9) v1(223.67,26.9) v1(223.67,19.35) v1(223.67,19.35) v1(223.67,18.4) v1(223.67,18.4) v1(223.67,10.85) v1(223.67,10.85) v1(223.67,9.9) v1(223.67,9.9) v1(240.33,138.35) v1(240.33,138.35) v1(240.33,137.4) v1(240.33,137.4) v1(240.33,129.85) v1(240.33,129.85) v1(240.33,128.9) v1(240.33,128.9) v1(240.33,121.35) v1(240.33,121.35) v1(240.33,120.4) v1(240.33,120.4) v1(240.33,112.85) v1(240.33,112.85) v1(240.33,111.9) v1(240.33,111.9) v1(240.33,104.35) v1(240.33,104.35) v1(240.33,103.4) v1(240.33,103.4) v1(240.33,95.85) v1(240.33,95.85) v1(240.33,94.9) v1(240.33,94.9) v1(240.33,87.35) v1(240.33,87.35) v1(240.33,86.4) v1(240.33,86.4) v1(240.33,78.85) v1(240.33,78.85) v1(240.33,77.9) v1(240.33,77.9) v1(240.33,70.35) v1(240.33,70.35) v1(240.33,69.4) v1(240.33,69.4) v1(240.33,61.85) v1(240.33,61.85) v1(240.33,60.9) v1(240.33,60.9) v1(240.33,53.35) v1(240.33,53.35) v1(240.33,52.4) v1(240.33,52.4) v1(240.33,44.85) v1(240.33,44.85) v1(240.33,43.9) v1(240.33,43.9) v1(240.33,36.35) v1(240.33,36.35) v1(240.33,35.4) v1(240.33,35.4) v1(240.33,27.85) v1(240.33,27.85) v1(240.33,26.9) v1(240.33,26.9) v1(240.33,19.35) v1(240.33,19.35) v1(240.33,18.4) v1(240.33,18.4) v1(240.33,10.85) v1(240.33,10.85) v1(240.33,9.9) v1(240.33,9.9) v1(257,138.35) v1(257,138.35) v1(257,137.4) v1(257,137.4) v1(257,129.85) v1(257,129.85) v1(257,128.9) v1(257,128.9) v1(257,121.35) v1(257,121.35) v1(257,120.4) v1(257,120.4) v1(257,112.85) v1(257,112.85) v1(257,111.9) v1(257,111.9) v1(257,104.35) v1(257,104.35) v1(257,103.4) v1(257,103.4) v1(257,95.85) v1(257,95.85) v1(257,94.9) v1(257,94.9) v1(257,87.35) v1(257,87.35) v1(257,86.4) v1(257,86.4) v1(257,78.85) v1(257,78.85) v1(257,77.9) v1(257,77.9) v1(257,70.35) v1(257,70.35) v1(257,69.4) v1(257,69.4) v1(257,61.85) v1(257,61.85) v1(257,60.9) v1(257,60.9) v1(257,53.35) v1(257,53.35) v1(257,52.4) v1(257,52.4) v1(257,44.85) v1(257,44.85) v1(257,43.9) v1(257,43.9) v1(257,36.35) v1(257,36.35) v1(257,35.4) v1(257,35.4) v1(257,27.85) v1(257,27.85) v1(257,26.9) v1(257,26.9) v1(257,19.35) v1(257,19.35) v1(257,18.4) v1(257,18.4) v1(257,10.85) v1(257,10.85) v1(257,9.9) v1(257,9.9) v1(273.67,138.35) v1(273.67,138.35) v1(273.67,137.4) v1(273.67,137.4) v1(273.67,129.85) v1(273.67,129.85) v1(273.67,128.9) v1(273.67,128.9) v1(273.67,121.35) v1(273.67,121.35) v1(273.67,120.4) v1(273.67,120.4) v1(273.67,112.85) v1(273.67,112.85) v1(273.67,111.9) v1(273.67,111.9) v1(273.67,104.35) v1(273.67,104.35) v1(273.67,103.4) v1(273.67,103.4) v1(273.67,95.85) v1(273.67,95.85) v1(273.67,94.9) v1(273.67,94.9) v1(273.67,87.35) v1(273.67,87.35) v1(273.67,86.4) v1(273.67,86.4) v1(273.67,78.85) v1(273.67,78.85) v1(273.67,77.9) v1(273.67,77.9) v1(273.67,70.35) v1(273.67,70.35) v1(273.67,69.4) v1(273.67,69.4) v1(273.67,61.85) v1(273.67,61.85) v1(273.67,60.9) v1(273.67,60.9) v1(273.67,53.35) v1(273.67,53.35) v1(273.67,52.4) v1(273.67,52.4) v1(273.67,44.85) v1(273.67,44.85) v1(273.67,43.9) v1(273.67,43.9) v1(273.67,36.35) v1(273.67,36.35) v1(273.67,35.4) v1(273.67,35.4) v1(273.67,27.85) v1(273.67,27.85) v1(273.67,26.9) v1(273.67,26.9) v1(273.67,19.35) v1(273.67,19.35) v1(273.67,18.4) v1(273.67,18.4) v1(273.67,10.85) v1(273.67,10.85) v1(273.67,9.9) v1(273.67,9.9)
